# Altium PCB PCB1.PcbDoc (part 1 of 2)
Units mm, origin at the board's own origin, x right, y up, seen from the top; angles counter-clockwise.
Board outline 89.92 x 45.09 mm, 2 copper layers (Top Layer, Bottom Layer); 379 components, 267 nets, 1270 pads, 0 vias.
Unrouted connection lines stored in the file: 889.
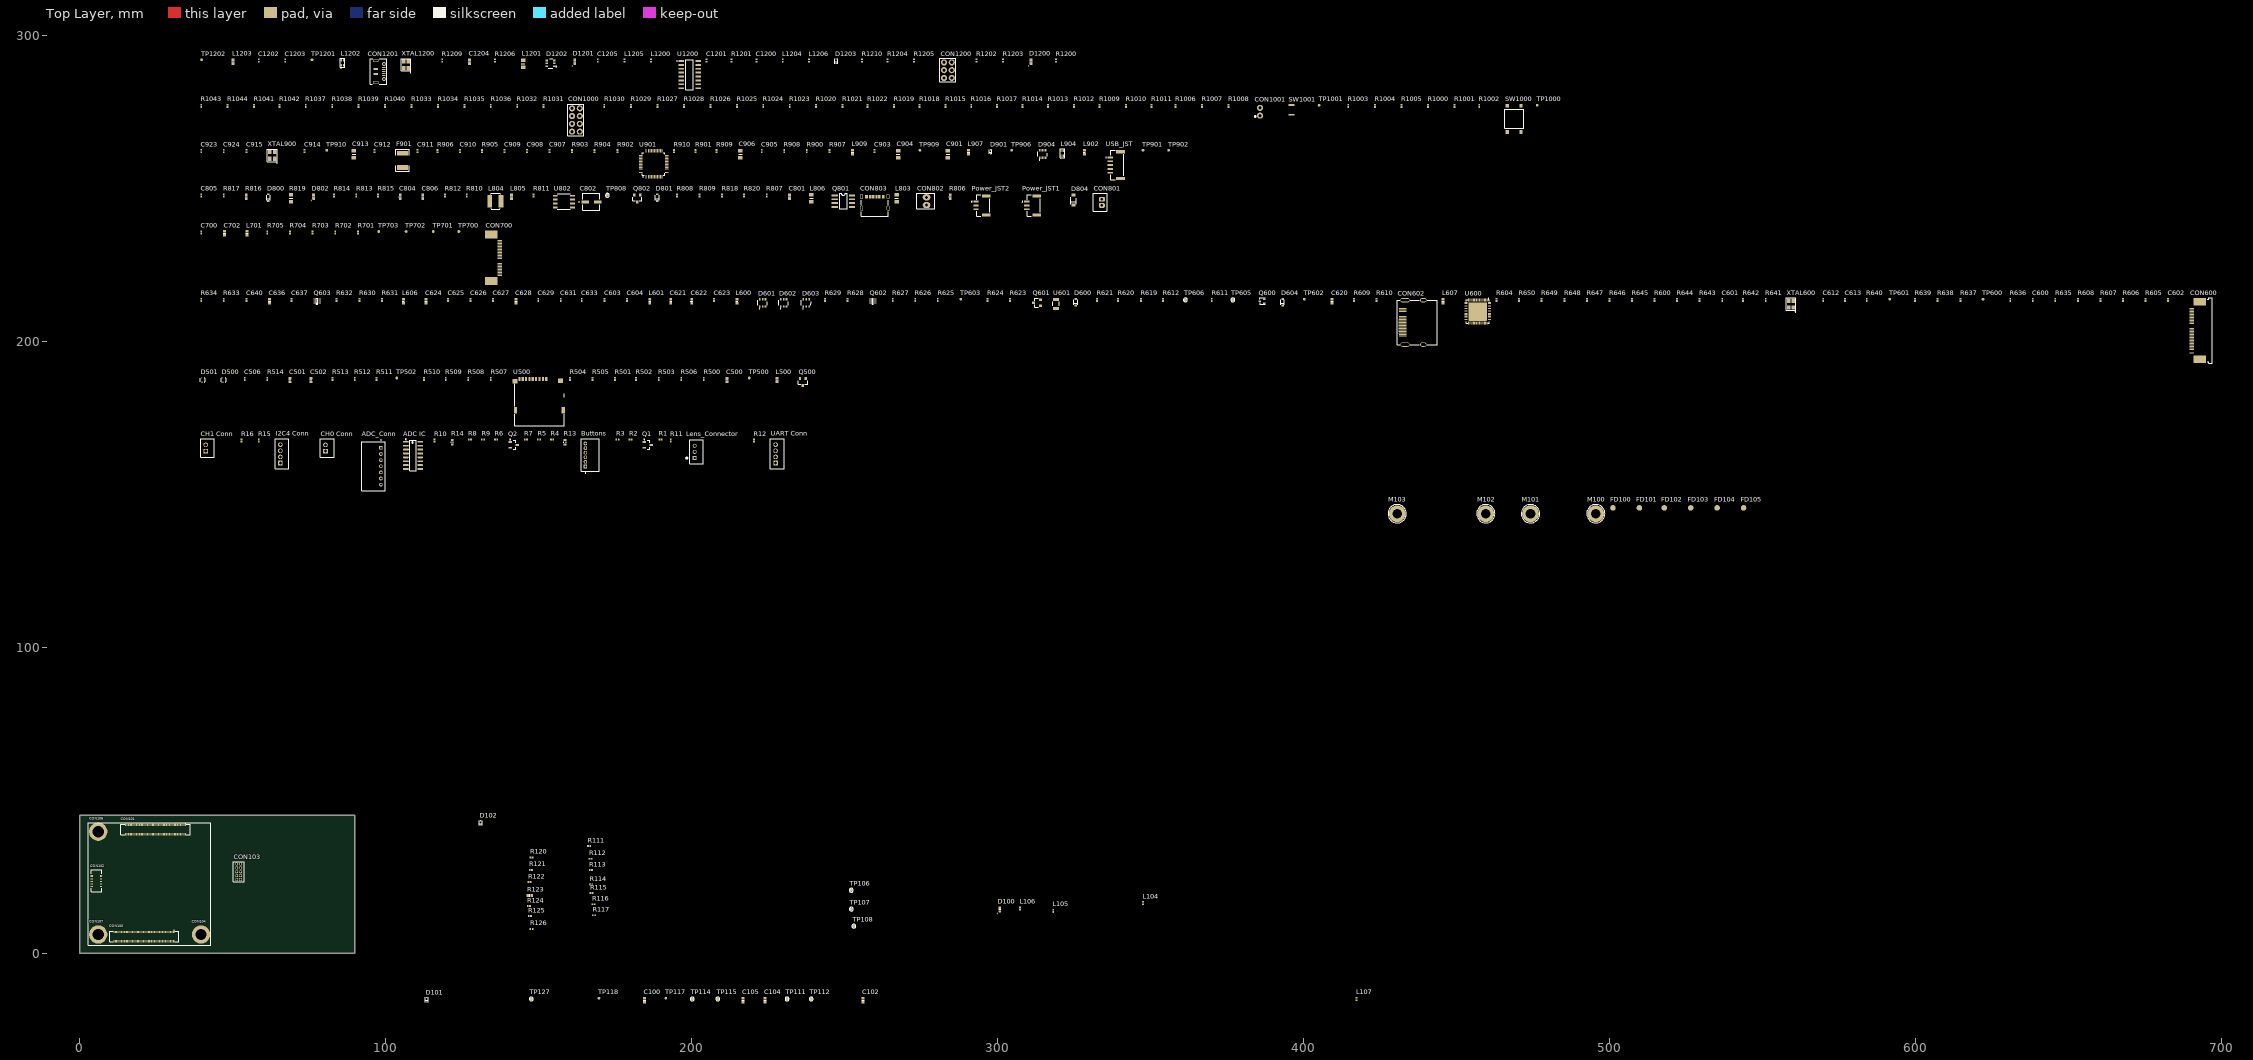
[diagram p0: Top Layer view]
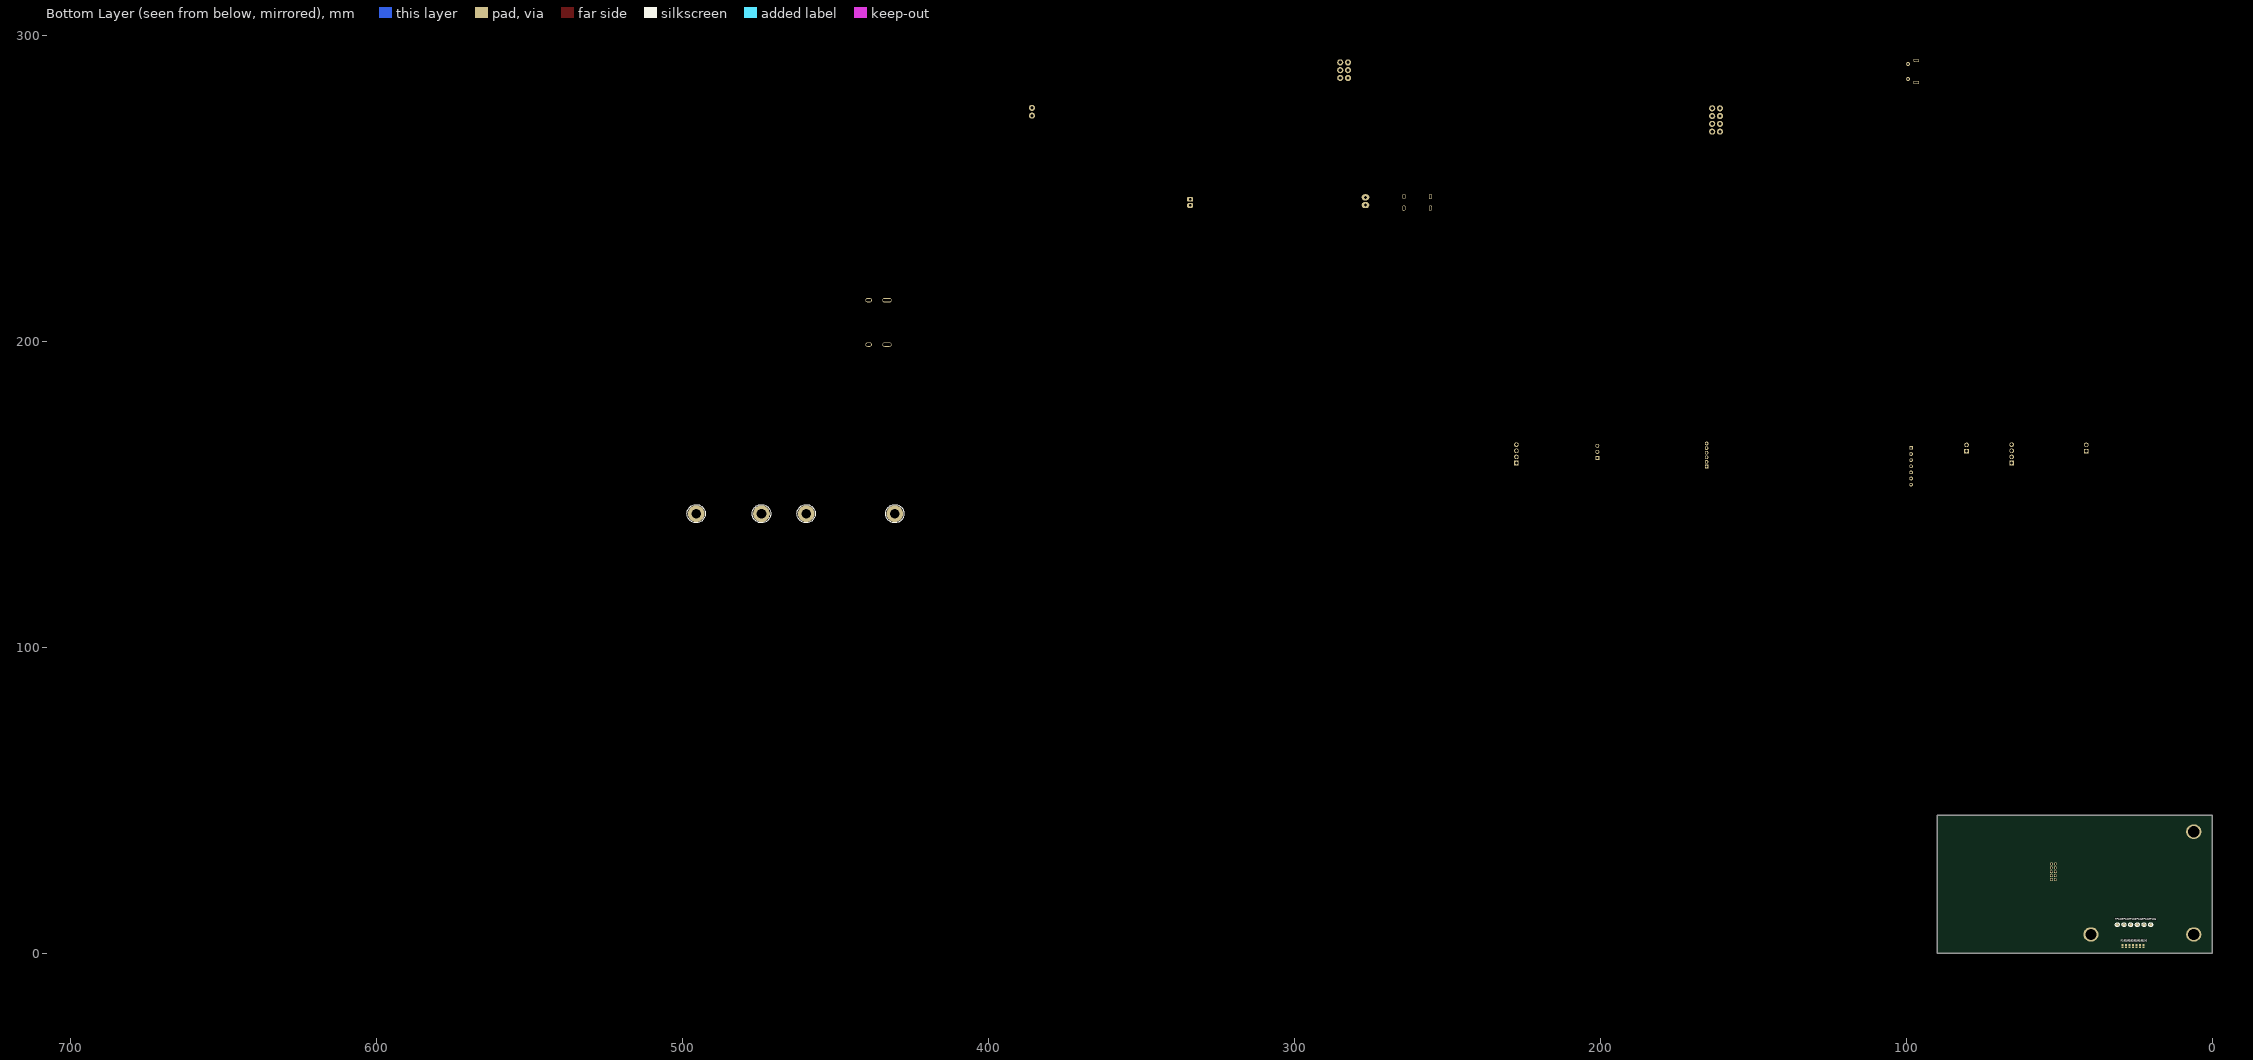
[diagram p1: Bottom Layer view, seen from below]

## Layer stack, top to bottom
Top Solder: solder mask 0.0102, Solder Resist, Dk 3.5
Top Layer: signal copper 0.0356
Dielectric 1: dielectric 0.32, FR-4, Dk 4.8
Bottom Layer: signal copper 0.0356
Bottom Solder: solder mask 0.0102, Solder Resist, Dk 3.5

## Board outline
0,0 89.916,0 89.916,45.085 0,45.085

## Design rules (kind name [scope] priority, off if disabled: settings)
BoardOutlineClearance BoardOutlineClearance_2 [InComponent('SW1001')] p1: gap=0.178 ignorepadtopadclearanceinfootprint=FALSE except(0: Arc-SplitContinuation Track-SplitContinuation SMDPad-SplitContinuation THPad-SplitContinuation Via-SplitContinuation Fill-SplitContinuation Poly-SplitContinuation Region-SplitContinuation Text-SplitContinuation)
BoardOutlineClearance BoardOutlineClearance_1 [(OnLayer('Bottom Overlay') OR OnLayer('Top Overlay'))] p2: gap=0 ignorepadtopadclearanceinfootprint=FALSE
BoardOutlineClearance [All] p3: gap=0.381 ignorepadtopadclearanceinfootprint=FALSE except(0: Arc-SplitContinuation Track-SplitContinuation SMDPad-SplitContinuation THPad-SplitContinuation Via-SplitContinuation Fill-SplitContinuation Poly-SplitContinuation Region-SplitContinuation Text-SplitContinuation)
Clearance Clearance_8 [InNet('NetCON800_G1')] p1: gap=0.254 ignorepadtopadclearanceinfootprint=FALSE
Clearance Clearance_7 [InComponent('U500') vs InNet('CHASIS')] p2: gap=0.102 ignorepadtopadclearanceinfootprint=FALSE except(0: Arc-Hole Track-Hole SMDPad-Hole THPad-Hole Via-Hole Fill-Hole Poly-Hole Region-Hole Text-Hole)
Clearance Clearance_6 [(InNet('NetC803_1') OR InNet('NetCON800_5')) vs InNet('CHASIS')] p3: gap=0.254 ignorepadtopadclearanceinfootprint=FALSE
Clearance Clearance_5 [(InComponent('CON800') OR InComponent('CON602') OR InComponent('C925')) vs InNet('CHASIS')] p4: gap=0.254 ignorepadtopadclearanceinfootprint=FALSE
Clearance Clearance_4 [OnLayer('Keep-Out Layer') vs InNet('CHASIS')] p5: gap=0.381 ignorepadtopadclearanceinfootprint=FALSE
Clearance Clearance_3 [All vs InNet('CHASIS')] p6: gap=0.508 ignorepadtopadclearanceinfootprint=FALSE
Clearance Clearance_1 [OnLayer('Keep-Out Layer')] p7: gap=0.381 ignorepadtopadclearanceinfootprint=FALSE except(0: Arc-Hole Track-Hole SMDPad-Hole THPad-Hole Via-Hole Fill-Hole Poly-Hole Region-Hole Text-Hole)
Clearance Clearance_2 [(InDifferentialPairClass('All Differential Pairs'))] p8: gap=0.102 ignorepadtopadclearanceinfootprint=FALSE except(0: Arc-Hole Track-Hole SMDPad-Hole THPad-Hole Via-Hole Fill-Hole Poly-Hole Region-Hole Text-Hole; 0.254: Arc-Fill Arc-Poly Arc-Region Track-Fill Track-Poly Track-Region Fill-Fill Fill-Poly Fill-Region Poly-Poly Poly-Region Region-Region)
Clearance [All] p9: gap=0.102 ignorepadtopadclearanceinfootprint=FALSE except(0: Arc-Hole Track-Hole SMDPad-Hole THPad-Hole Via-Hole Fill-Hole Poly-Hole Region-Hole Text-Hole)
ComponentClearance "CON USB ETH" [(InComponent('CON300') OR InComponent('CON900'))] p1: gap=0 collisioncheckmode=3 verticalgap=0.102 showdistances=TRUE
ComponentClearance lt812 [InComponent('U600')] p2: gap=0 collisioncheckmode=3 verticalgap=0.025 showdistances=FALSE
ComponentClearance ComponentClearance_1 [All] p3: gap=-0.025 collisioncheckmode=3 verticalgap=2540 showdistances=TRUE
DiffPairsRouting "120 OHM DIFF" [InDifferentialPairClass('120 OHM')] p1: maxlimit=0.272 minlimit=0.272 mostfreqgap=0.272 toplayer_minwidth=0.102 toplayer_maxwidth=0.102 toplayer_prefwidth=0.102 bottomlayer_minwidth=0.102 bottomlayer_maxwidth=0.102 bottomlayer_prefwidth=0.102 impedanceprofiledriven=TRUE impedanceprofileid={A5C14433-478B-43AE-BEC5-EB8F7158DBB7} maxuncoupledlength=12.7
DiffPairsRouting "100 OHM DIFF" [(InDifferentialPairClass('DIFF CSI 100 OHM') OR InDifferentialPairClass('ETHERNET 100 OHM') OR InDifferentialPairClass('DIFF DSI 100 OHM') OR InDifferentialPairClass('DIFF LVDS 100 OHM') OR InDifferentialPairClass('DIFF HDMI 100 OHM'))] p2: maxlimit=0.142 minlimit=0.142 mostfreqgap=0.142 toplayer_minwidth=0.102 toplayer_maxwidth=0.102 toplayer_prefwidth=0.102 bottomlayer_minwidth=0.102 bottomlayer_maxwidth=0.102 bottomlayer_prefwidth=0.102 impedanceprofiledriven=TRUE impedanceprofileid={9FBB3293-30A2-49BF-8ADF-8E6D37554442} maxuncoupledlength=12.7
DiffPairsRouting "90 OHM DIFF" [InDifferentialPairClass('USB 90 OHM DIFF')] p3: maxlimit=0.102 minlimit=0.102 mostfreqgap=0.102 toplayer_minwidth=0.114 toplayer_maxwidth=0.114 toplayer_prefwidth=0.114 bottomlayer_minwidth=0.114 bottomlayer_maxwidth=0.114 bottomlayer_prefwidth=0.114 impedanceprofiledriven=TRUE impedanceprofileid={5B2A933F-497D-42E0-94AC-0506C8A0F68D} maxuncoupledlength=12.7
DiffPairsRouting "85 OHM DIFF" [InDifferentialPairClass('DIFF PCIe 85 OHM')] p4: maxlimit=0.102 minlimit=0.102 mostfreqgap=0.102 toplayer_minwidth=0.128 toplayer_maxwidth=0.128 toplayer_prefwidth=0.128 bottomlayer_minwidth=0.128 bottomlayer_maxwidth=0.128 bottomlayer_prefwidth=0.128 impedanceprofiledriven=TRUE impedanceprofileid={BACEDBAA-0EAD-4FB3-8CFC-D51ABC442257} maxuncoupledlength=12.7
HoleSize [All] p1: absolutevalues=TRUE maxlimit=5 minlimit=0.2 maxpercent=80.000 minpercent=20.000
MatchedLengths ETH_DIFF [InDifferentialPairClass('ETHERNET 100 OHM')] p1: tolerance=25.4 checknetsindiffpair=TRUE checkdiffpairvsdiffpair=FALSE checkxsignals=FALSE checkothers=FALSE usedelayunits=TRUE delaytolerance=1.000000
MatchedLengths USB [InDifferentialPairClass('USB 90 OHM DIFF')] p2: tolerance=25.4 checknetsindiffpair=TRUE checkdiffpairvsdiffpair=FALSE checkxsignals=FALSE checkothers=FALSE usedelayunits=TRUE delaytolerance=1.000000
MatchedLengths PCIe2 [InDifferentialPairClass('DIFF PCIe 85 OHM')] p3: tolerance=0.003 checknetsindiffpair=TRUE checkdiffpairvsdiffpair=FALSE checkxsignals=FALSE checkothers=FALSE usedelayunits=TRUE delaytolerance=1.000000
MatchedLengths DSI2 [InDifferentialPairClass('DIFF DSI 100 OHM')] p4: tolerance=0.003 checknetsindiffpair=TRUE checkdiffpairvsdiffpair=FALSE checkxsignals=FALSE checkothers=FALSE usedelayunits=TRUE delaytolerance=2.000000
MatchedLengths DSI1 [InDifferentialPairClass('DIFF DSI 100 OHM')] p5: tolerance=0.003 checknetsindiffpair=FALSE checkdiffpairvsdiffpair=TRUE checkxsignals=TRUE checkothers=TRUE usedelayunits=TRUE delaytolerance=2.000000
MatchedLengths CSI2 [InDifferentialPairClass('DIFF CSI 100 OHM')] p6: tolerance=25.4 checknetsindiffpair=TRUE checkdiffpairvsdiffpair=FALSE checkxsignals=FALSE checkothers=FALSE usedelayunits=TRUE delaytolerance=2.000000
MatchedLengths CSI1 [InDifferentialPairClass('DIFF CSI 100 OHM')] p7: tolerance=25.4 checknetsindiffpair=FALSE checkdiffpairvsdiffpair=TRUE checkxsignals=TRUE checkothers=TRUE usedelayunits=TRUE delaytolerance=5.000000
MatchedLengths "LVDS 1" [InDifferentialPairClass('DIFF LVDS 100 OHM')] p8: tolerance=25.4 checknetsindiffpair=FALSE checkdiffpairvsdiffpair=TRUE checkxsignals=TRUE checkothers=TRUE usedelayunits=TRUE delaytolerance=10.000000
MatchedLengths LVDS2 [InDifferentialPairClass('DIFF LVDS 100 OHM')] p9: tolerance=25.4 checknetsindiffpair=TRUE checkdiffpairvsdiffpair=FALSE checkxsignals=FALSE checkothers=FALSE usedelayunits=TRUE delaytolerance=2.000000
MinimumSolderMaskSliver [All] p1: minsoldermaskwidth=0.08
PolygonConnect COMPONENT [(InComponent('U802') OR InComponent('C801') OR InComponent('L1305') OR InComponent('C1102','L1101','L805'))] p1: thpad.connectstyle=Relief thpad.reliefconductorwidth=0.102 thpad.reliefentries=4 thpad.polygonreliefangle="90 Angle" thpad.airgapwidth=0.102 smdpad.connectstyle=Relief smdpad.reliefconductorwidth=0.203 smdpad.reliefentries=4 smdpad.polygonreliefangle="90 Angle" smdpad.airgapwidth=0.102 via.connectstyle=Direct via.reliefconductorwidth=0.102 via.reliefentries=4 via.polygonreliefangle="90 Angle" via.airgapwidth=0.102
PolygonConnect GND [(InNet('GND') OR InNet('CHASIS'))] p2: thpad.connectstyle=Relief thpad.reliefconductorwidth=0.203 thpad.reliefentries=4 thpad.polygonreliefangle="90 Angle" thpad.airgapwidth=0.102 smdpad.connectstyle=Relief smdpad.reliefconductorwidth=0.203 smdpad.reliefentries=4 smdpad.polygonreliefangle="90 Angle" smdpad.airgapwidth=0.102 via.connectstyle=Direct via.reliefconductorwidth=0.254 via.reliefentries=4 via.polygonreliefangle="90 Angle" via.airgapwidth=0.254
PolygonConnect GENERAL [All] p3: connectstyle=Direct reliefconductorwidth=0.254 reliefentries=4 polygonreliefangle="90 Angle" airgapwidth=0.254
RoomDefinition "04 Custom" [InComponentClass('04 Custom')] p1: confinementstyle=ConfineIn formatcopy=TRUE lockcomponents=FALSE outline 39.243,150.749 239.522,150.749 239.522,170.942 39.243,170.942
RoomDefinition "12 CONSOLE" [InComponentClass('12 CONSOLE')] p2: confinementstyle=ConfineIn formatcopy=TRUE lockcomponents=FALSE outline 39.243,281.686 326.263,281.686 326.263,295.148 39.243,295.148
RoomDefinition "10 BOOT" [InComponentClass('10 BOOT')] p3: confinementstyle=ConfineIn formatcopy=TRUE lockcomponents=FALSE outline 39.243,266.827 484.886,266.827 484.886,280.289 39.243,280.289
RoomDefinition "09 USB HUB" [InComponentClass('09 USB HUB')] p4: confinementstyle=ConfineIn formatcopy=TRUE lockcomponents=FALSE outline 39.243,252.349 363.22,252.349 363.22,265.557 39.243,265.557
RoomDefinition "08 USB OTG & POWER" [InComponentClass('08 USB OTG & POWER')] p5: confinementstyle=ConfineIn formatcopy=TRUE lockcomponents=FALSE outline 39.243,240.411 339.979,240.411 339.979,251.079 39.243,251.079
RoomDefinition "07 MIPI CSI" [InComponentClass('07 MIPI CSI')] p6: confinementstyle=ConfineIn formatcopy=TRUE lockcomponents=FALSE outline 39.243,218.059 141.859,218.059 141.859,239.014 39.243,239.014
RoomDefinition "06 MIPI-DSI to HDMI" [InComponentClass('06 MIPI-DSI to HDMI')] p7: confinementstyle=ConfineIn formatcopy=TRUE lockcomponents=FALSE outline 39.243,192.532 698.754,192.532 698.754,216.916 39.243,216.916
RoomDefinition "05 MICROSD" [InComponentClass('05 MICROSD')] p8: confinementstyle=ConfineIn formatcopy=TRUE lockcomponents=FALSE outline 39.243,172.212 241.046,172.212 241.046,191.135 39.243,191.135
RoomDefinition "01 SoM IO INTERFACE" [InComponentClass('01 SoM IO INTERFACE')] p9: confinementstyle=ConfineIn formatcopy=TRUE lockcomponents=FALSE outline 39.243,123.825 550.037,123.825 550.037,149.479 39.243,149.479
RoutingVias [All] p1: holewidth=0.2 width=0.4 viastyle="Through Hole" minholewidth=0.2 minwidth=0.4 maxholewidth=3 maxwidth=3
SilkToSilkClearance [All] p1: silktosilkclearance=0
SilkToSolderMaskClearance [IsPad] p1: minsilkscreentomaskgap=0.025 clearancetoexposedcopper=TRUE
SolderMaskExpansion [All] p1: expansion=0.051 istentingtop=FALSE
Width [All] p1: maxlimit=7.62 minlimit=0.102 preferedwidth=0.102
24 further rules are at their usual default settings.

## Classes and differential pairs
differential pair class "USB 90 OHM DIFF": USB2_UP USB3DP USB3DP' USB_DEBUG USB_DEBUG'
differential pair class "DIFF LVDS 100 OHM": LVDSCK LVDSTX0 LVDSTX1 LVDSTX2 LVDSTX3
differential pair class "DIFF HDMI 100 OHM": HDMICK HDMITX0 HDMITX1 HDMITX2
differential pair class "DIFF DSI 100 OHM": MIPI_DSI_CK MIPI_DSI_D0 MIPI_DSI_D1 MIPI_DSI_D2 MIPI_DSI_D3
differential pair class "DIFF CSI 100 OHM": MIPI_CSI_CLK MIPI_CSI_D0 MIPI_CSI_D1 MIPI_CSI_D2 MIPI_CSI_D3
net class USB: USB2_UP_N USB2_UP_P USB3DP'_N USB3DP'_P USB3DP_N USB3DP_P
net class "USB OTG CONFIG": +3.3V_EXT_ENABLE USB1_OTG_VBUS_DETECT USB_OTG_OC USB_OTG_POWER
net class USB_OTG_POWER_SYSTEM[0..3]: USB_OTG_POWER_SYSTEM0 USB_OTG_POWER_SYSTEM1 USB_OTG_POWER_SYSTEM2 USB_OTG_POWER_SYSTEM3
net class USB2[0..1]: USB20 USB21
net class USB1[0..3]: USB10 USB11 USB12 USB13
net class UART3[0..3]: UART30 UART31 UART32 UART33
net class UART2,4[0..3]: UART2,40 UART2,41 UART2,42 UART2,43
net class "SD CARD": SD2_CD_B SD2_CLK SD2_CMD SD2_DATA0 SD2_DATA1 SD2_DATA2 SD2_DATA3 SD2_nRST
net class SD2[0..8]: SD20 SD21 SD22 SD23 SD24 SD25 SD26 SD27 SD28
net class SAI3: SAI3_RXD SAI3_TXC SAI3_TXD SAI3_TXFS
net class SAI2_TX[0..2]: SAI2_TX0 SAI2_TX1 SAI2_TX2
net class SAI1: SAI1_RXD0 SAI1_RXD1 SAI1_RXD2 SAI1_RXD3 SAI1_RXD4 SAI1_RXD5 SAI1_RXD6 SAI1_RXD7 SAI1_TXD0 SAI1_TXD1 SAI1_TXD2 SAI1_TXD3 SAI1_TXD4 SAI1_TXD5 SAI1_TXD6 SAI1_TXD7
net class SAI1_CONFIG[0..15]: SAI1_CONFIG0 SAI1_CONFIG1 SAI1_CONFIG2 SAI1_CONFIG3 SAI1_CONFIG4 SAI1_CONFIG5 SAI1_CONFIG6 SAI1_CONFIG7 SAI1_CONFIG8 SAI1_CONFIG9 SAI1_CONFIG10 SAI1_CONFIG11 SAI1_CONFIG12 SAI1_CONFIG13 SAI1_CONFIG14 SAI1_CONFIG15
net class PWR: +1.8V_VDD +3.3V_VDD +5V GND
net class PWM: PWM1_E PWM2_E PWM3_E PWM4_E
net class PWM[0..3]: PWM0 PWM1 PWM2 PWM3
net class N000-21_[0..3]: N000-21_0 N000-21_1 N000-21_2 N000-21_3
net class N000-20_[0..2]: N000-20_0 N000-20_1 N000-20_2
net class N000-19_[0..8]: N000-19_0 N000-19_1 N000-19_2 N000-19_3 N000-19_4 N000-19_5 N000-19_6 N000-19_7 N000-19_8
net class N000-18_[0..9]: N000-18_0 N000-18_1 N000-18_2 N000-18_3 N000-18_4 N000-18_5 N000-18_6 N000-18_7 N000-18_8 N000-18_9
net class N000-17_[0..1]: N000-17_0 N000-17_1
net class N000-16_[0..3]: N000-16_0 N000-16_1 N000-16_2 N000-16_3
net class N000-15_[0..3]: N000-15_0 N000-15_1 N000-15_2 N000-15_3
net class N000-14_[0..5]: N000-14_0 N000-14_1 N000-14_2 N000-14_3 N000-14_4 N000-14_5
net class N000-13_[0..1]: N000-13_0 N000-13_1
net class N000-12_[0..3]: N000-12_0 N000-12_1 N000-12_2 N000-12_3
net class N000-11_[0..11]: N000-11_0 N000-11_1 N000-11_2 N000-11_3 N000-11_4 N000-11_5 N000-11_6 N000-11_7 N000-11_8 N000-11_9 N000-11_10 N000-11_11
net class N000-10_[0..1]: N000-10_0 N000-10_1
net class N000-9_[0..1]: N000-9_0 N000-9_1
net class N000-8_[0..3]: N000-8_0 N000-8_1 N000-8_2 N000-8_3
net class N000-7_[0..3]: N000-7_0 N000-7_1 N000-7_2 N000-7_3
net class N000-6_[0..1]: N000-6_0 N000-6_1
net class N000-5_[0..15]: N000-5_0 N000-5_1 N000-5_2 N000-5_3 N000-5_4 N000-5_5 N000-5_6 N000-5_7 N000-5_8 N000-5_9 N000-5_10 N000-5_11 N000-5_12 N000-5_13 N000-5_14 N000-5_15
net class N000-4_[0..9]: N000-4_0 N000-4_1 N000-4_2 N000-4_3 N000-4_4 N000-4_5 N000-4_6 N000-4_7 N000-4_8 N000-4_9
net class N000-3_[0..2]: N000-3_0 N000-3_1 N000-3_2
net class N000-2_[0..3]: N000-2_0 N000-2_1 N000-2_2 N000-2_3
net class N000-1_[0..1]: N000-1_0 N000-1_1
net class "MIPI DSI": MIPI_DSI_CK_N MIPI_DSI_CK_P MIPI_DSI_D0_N MIPI_DSI_D0_P MIPI_DSI_D1_N MIPI_DSI_D1_P MIPI_DSI_D2_N MIPI_DSI_D2_P MIPI_DSI_D3_N MIPI_DSI_D3_P
net class "MIPI DSI[0..9]": "MIPI DSI0" "MIPI DSI1" "MIPI DSI2" "MIPI DSI3" "MIPI DSI4" "MIPI DSI5" "MIPI DSI6" "MIPI DSI7" "MIPI DSI8" "MIPI DSI9"
net class "MIPI CSI": MIPI_CSI_CLK_N MIPI_CSI_CLK_P MIPI_CSI_D0_N MIPI_CSI_D0_P MIPI_CSI_D1_N MIPI_CSI_D1_P MIPI_CSI_D2_N MIPI_CSI_D2_P MIPI_CSI_D3_N MIPI_CSI_D3_P
net class "MIPI CSI[0..9]": "MIPI CSI0" "MIPI CSI1" "MIPI CSI2" "MIPI CSI3" "MIPI CSI4" "MIPI CSI5" "MIPI CSI6" "MIPI CSI7" "MIPI CSI8" "MIPI CSI9"
net class LVDS: LVDSCK_N LVDSCK_P LVDSTX0_N LVDSTX0_P LVDSTX1_N LVDSTX1_P LVDSTX2_N LVDSTX2_P LVDSTX3_N LVDSTX3_P
net class I2C4: I2C4_SCL_3V3 I2C4_SDA_3V3
net class I2C4[0..1]: I2C40 I2C41
net class I2C3: I2C3_SCL_3V3 I2C3_SDA_3V3
net class I2C3[0..1]: I2C30 I2C31
net class I2C2: I2C2_SCL_3V3 I2C2_SDA_3V3
net class I2C2[0..1]: I2C20 I2C21
net class HDMI_SYSTEM[0..5]: HDMI_SYSTEM0 HDMI_SYSTEM1 HDMI_SYSTEM2 HDMI_SYSTEM3 HDMI_SYSTEM4 HDMI_SYSTEM5
net class GPIO_EXT[0..11]: GPIO_EXT0 GPIO_EXT1 GPIO_EXT2 GPIO_EXT3 GPIO_EXT4 GPIO_EXT5 GPIO_EXT6 GPIO_EXT7 GPIO_EXT8 GPIO_EXT9 GPIO_EXT10 GPIO_EXT11
net class GPIO_EXP: GPIO_EXP_1 GPIO_EXP_2 GPIO_EXP_3 GPIO_EXP_4 GPIO_EXP_5 GPIO_EXP_6 GPIO_EXP_7
net class ECSPI2[0..3]: ECSPI20 ECSPI21 ECSPI22 ECSPI23
net class "CS CAM SYSTEM[0..2]": "CS CAM SYSTEM0" "CS CAM SYSTEM1" "CS CAM SYSTEM2"
net class "CAM CONFIG": PWDN_CAM_C RST_CAM_C
net class BUTTON: ONOFF SYS_nRST
net class BUTTONS[0..1]: BUTTONS0 BUTTONS1
net class BOOT_MODE[0..1]: BOOT_MODE0 BOOT_MODE1
component class "12 CONSOLE": C1200 C1201 C1202 C1203 C1204 C1205 CON1200 CON1201 D1200 D1201 D1202 D1203 L1200 L1201 L1202 L1203 L1204 L1205 L1206 R1200 R1201 R1202 R1203 R1204 R1205 R1206 R1209 R1210 TP1201 TP1202 U1200 XTAL1200
component class "10 BOOT": CON1000 CON1001 R1000 R1001 R1002 R1003 R1004 R1005 R1006 R1007 R1008 R1009 R1010 R1011 R1012 R1013 R1014 R1015 R1016 R1017 R1018 R1019 R1020 R1021 R1022 R1023 R1024 R1025 R1026 R1027 R1028 R1029 R1030 R1031 R1032 R1033 R1034 R1035 R1036 R1037 R1038 R1039 R1040 R1041 R1042 R1043 R1044 SW1000 SW1001 TP1000 TP1001
component class "09 USB HUB": C901 C903 C904 C905 C906 C907 C908 C909 C910 C911 C912 C913 C914 C915 C923 C924 D901 D904 F901 L902 L904 L907 L909 R900 R901 R902 R903 R904 R905 R906 R907 R908 R909 R910 TP901 TP902 TP906 TP909 TP910 U901 USB_JST XTAL900
component class "08 USB OTG & POWER": C801 C802 C804 C805 C806 CON801 CON802 CON803 D800 D801 D802 D804 L803 L804 L805 L806 Power_JST1 Power_JST2 Q801 Q802 R806 R807 R808 R809 R810 R811 R812 R813 R814 R815 R816 R817 R818 R819 R820 TP808 U802
component class "07 MIPI CSI": C700 C702 CON700 L701 R701 R702 R703 R704 R705 TP700 TP701 TP702 TP703
component class "06 MIPI-DSI to HDMI": C600 C601 C602 C603 C604 C612 C613 C620 C621 C622 C623 C624 C625 C626 C627 C628 C629 C631 C633 C636 C637 C640 CON600 CON602 D600 D601 D602 D603 D604 L600 L601 L606 L607 Q600 Q601 Q602 Q603 R600 R604 R605 R606 R607 R608 R609 R610 R611 R612 R619 R620 R621 R623 R624 R625 R626 R627 R628 R629 R630 R631 R632 R633 R634 R635 R636 R637 R638 R639 R640 R641 R642 R643 R644 R645 R646 R647 R648 R649 R650 TP600 TP601 TP602 TP603 TP605 TP606 U600 U601 XTAL600
component class "05 MICROSD": C500 C501 C502 C506 D500 D501 L500 Q500 R500 R501 R502 R503 R504 R505 R506 R507 R508 R509 R510 R511 R512 R513 R514 TP500 TP502 U500
component class "04 Custom": "ADC IC" ADC_Conn Buttons "CH0 Conn" "CH1 Conn" "I2C4 Conn" Lens_Connector Q1 Q2 R1 R2 R3 R4 R5 R6 R7 R8 R9 R10 R11 R12 R13 R14 R15 R16 "UART Conn"
component class "01 SoM IO INTERFACE": C100 C102 C104 C105 CON100 CON101 CON102 CON103 CON104 CON106 CON107 D100 D101 D102 FD100 FD101 FD102 FD103 FD104 FD105 L104 L105 L106 L107 M100 M101 M102 M103 R100 R101 R102 R103 R104 R105 R106 R111 R112 R113 R114 R115 R116 R117 R120 R121 R122 R123 R124 R125 R126 TP100 TP101 TP102 TP103 TP104 TP105 TP106 TP107 TP108 TP111 TP112 TP114 TP115 TP117 TP118 TP127
differential pair USB_DEBUG: +USB_DEBUG_P -USB_DEBUG_N
differential pair USB_DEBUG': +USB_DEBUG'_P -USB_DEBUG'_N
differential pair USB3DP: +USB3DP_P -USB3DP_N
differential pair USB3DP': +USB3DP'_P -USB3DP'_N
differential pair USB2_UP: +USB2_UP_P -USB2_UP_N
differential pair MIPI_DSI_D3: +MIPI_DSI_D3_P -MIPI_DSI_D3_N
differential pair MIPI_DSI_D2: +MIPI_DSI_D2_P -MIPI_DSI_D2_N
differential pair MIPI_DSI_D1: +MIPI_DSI_D1_P -MIPI_DSI_D1_N
differential pair MIPI_DSI_D0: +MIPI_DSI_D0_P -MIPI_DSI_D0_N
differential pair MIPI_DSI_CK: +MIPI_DSI_CK_P -MIPI_DSI_CK_N
differential pair MIPI_CSI_D3: +MIPI_CSI_D3_P -MIPI_CSI_D3_N
differential pair MIPI_CSI_D2: +MIPI_CSI_D2_P -MIPI_CSI_D2_N
differential pair MIPI_CSI_D1: +MIPI_CSI_D1_P -MIPI_CSI_D1_N
differential pair MIPI_CSI_D0: +MIPI_CSI_D0_P -MIPI_CSI_D0_N
differential pair MIPI_CSI_CLK: +MIPI_CSI_CLK_P -MIPI_CSI_CLK_N
differential pair LVDSTX3: +LVDSTX3_P -LVDSTX3_N
differential pair LVDSTX2: +LVDSTX2_P -LVDSTX2_N
differential pair LVDSTX1: +LVDSTX1_P -LVDSTX1_N
differential pair LVDSTX0: +LVDSTX0_P -LVDSTX0_N
differential pair LVDSCK: +LVDSCK_P -LVDSCK_N
differential pair HDMITX2: +HDMITX2_P -HDMITX2_N
differential pair HDMITX1: +HDMITX1_P -HDMITX1_N
differential pair HDMITX0: +HDMITX0_P -HDMITX0_N
differential pair HDMICK: +HDMICK_P -HDMICK_N
differential pair D5: +D5_P -D5_N
differential pair D4: +D4_P -D4_N
differential pair D3: +D3_P -D3_N
differential pair D2: +D2_P -D2_N
differential pair D1: +D1_P -D1_N
